# Altium PCB STM32F7_CoreBoard.PcbDoc (part 1 of 8) (continued)
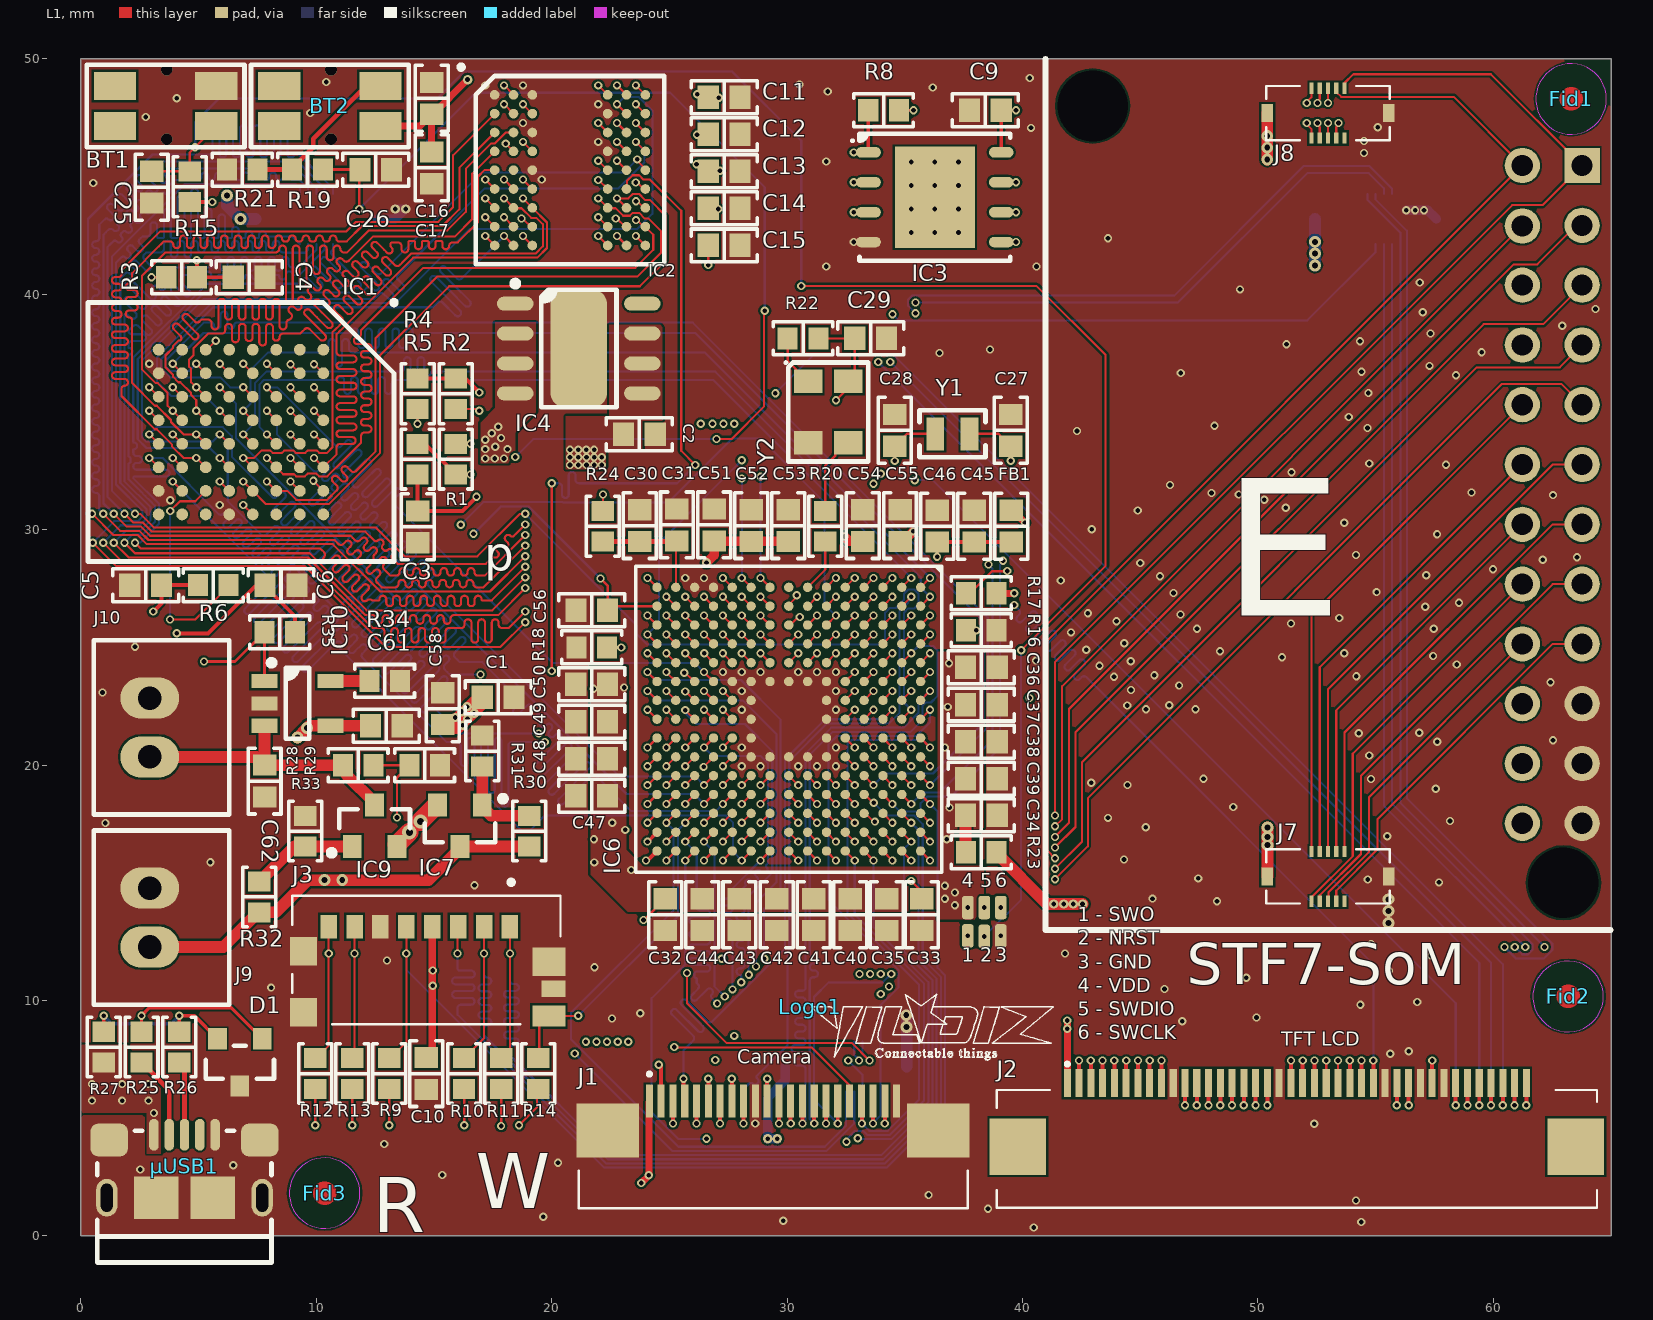
[diagram p0: L1 view]
## Footprints (in the part's own frame and the unit in brackets; to place one, negate y for a bottom-side part, rotate by r counter-clockwise, add the part's x,y. Pads: shape width x height; smd on the part's side, far side on the other; paste and mask are expansions set on the pad) (continued)
"ST TFBGA-216 13x13 0.8mm" [mm] "TFBGA216, 13 × 13 × 0.8 mm thin fine-pitch ball grid array"
  round 0.4 smd paste+0 mask+0.038: A1(-5.601,5.6) A2(-4.801,5.6) A3(-4.001,5.6) A4(-3.2,5.6) A5(-2.4,5.6) A6(-1.6,5.6) A7(-0.8,5.6) A8(0,5.6) A9(0.8,5.6) A10(1.6,5.6) A11(2.4,5.6) A12(3.2,5.6) A13(4,5.6) A14(4.801,5.6) A15(5.601,5.6) B1(-5.601,4.8) B2(-4.801,4.8) B3(-4.001,4.8) B4(-3.2,4.8) B5(-2.4,4.8) B6(-1.6,4.8) B7(-0.8,4.8) B8(0,4.8) B9(0.8,4.8) B10(1.6,4.8) B11(2.4,4.8) B12(3.2,4.8) B13(4,4.8) B14(4.801,4.8) B15(5.601,4.8) C1(-5.601,4) C2(-4.801,4) C3(-4.001,4) C4(-3.2,4) C5(-2.4,4) C6(-1.6,4) C7(-0.8,4) C8(0,4) C9(0.8,4) C10(1.6,4) C11(2.4,4) C12(3.2,4) C13(4,4) C14(4.801,4) C15(5.601,4) D1(-5.601,3.2) D2(-4.801,3.2) D3(-4.001,3.2) D4(-3.2,3.2) D5(-2.4,3.2) D6(-1.6,3.2) D7(-0.8,3.2) D8(0,3.2) D9(0.8,3.2) D10(1.6,3.2) D11(2.4,3.2) D12(3.2,3.2) D13(4,3.2) D14(4.801,3.2) D15(5.601,3.2) E1(-5.601,2.4) E2(-4.801,2.4) E3(-4.001,2.4) E4(-3.2,2.4) E5(-2.4,2.4) E6(-1.6,2.4) E7(-0.8,2.4) E8(0,2.4) E9(0.8,2.4) E10(1.6,2.4) E11(2.4,2.4) E12(3.2,2.4) E13(4,2.4) E14(4.801,2.4) E15(5.601,2.4) F1(-5.601,1.6) F2(-4.801,1.6) F3(-4,1.6) F4(-3.2,1.6) F5(-2.4,1.6) F6(-1.6,1.6) F7(-0.8,1.6) F8(0,1.6) F9(0.8,1.6) F10(1.6,1.6) F11(2.4,1.6) F12(3.2,1.6) F13(4,1.6) F14(4.801,1.6) F15(5.601,1.6) G1(-5.601,0.8) G2(-4.801,0.8) G3(-4,0.8) G4(-3.2,0.8) G5(-2.4,0.8) G6(-1.6,0.8) G10(1.6,0.8) G11(2.4,0.8) G12(3.2,0.8) G13(4,0.8) G14(4.801,0.8) G15(5.601,0.8) H1(-5.601,0) H2(-4.801,0) H3(-4,0) H4(-3.2,0) H5(-2.4,0) H6(-1.6,0) H10(1.6,0) H11(2.4,0) H12(3.2,0) H13(4,0) H14(4.801,0) H15(5.601,0) J1(-5.601,-0.8) J2(-4.801,-0.8) J3(-4,-0.8) J4(-3.2,-0.8) J5(-2.4,-0.8) J6(-1.6,-0.8) J10(1.6,-0.8) J11(2.4,-0.8) J12(3.2,-0.8) J13(4,-0.8) J14(4.801,-0.8) J15(5.601,-0.8) K1(-5.601,-1.6) K2(-4.801,-1.6) K3(-4,-1.6) K4(-3.2,-1.6) K5(-2.4,-1.6) K6(-1.6,-1.6) K7(-0.8,-1.6) K8(0,-1.6) K9(0.8,-1.6) K10(1.6,-1.6) K11(2.4,-1.6) K12(3.2,-1.6) K13(4,-1.6) K14(4.801,-1.6) K15(5.601,-1.6) L1(-5.601,-2.4) L2(-4.801,-2.4) L3(-4,-2.4) L4(-3.2,-2.4) L5(-2.4,-2.4) L6(-1.6,-2.4) L7(-0.8,-2.4) L8(0,-2.4) L9(0.8,-2.4) L10(1.6,-2.4) L11(2.4,-2.4) L12(3.2,-2.4) L13(4.001,-2.4) L14(4.801,-2.4) L15(5.601,-2.4) M1(-5.601,-3.2) M2(-4.801,-3.2) M3(-4,-3.2) M4(-3.2,-3.2) M5(-2.4,-3.2) M6(-1.6,-3.2) M7(-0.8,-3.2) M8(0,-3.2) M9(0.8,-3.2) M10(1.6,-3.2) M11(2.4,-3.2) M12(3.2,-3.2) M13(4.001,-3.2) M14(4.801,-3.2) M15(5.601,-3.2) N1(-5.601,-4) N2(-4.801,-4) N3(-4,-4) N4(-3.2,-4) N5(-2.4,-4) N6(-1.6,-4) N7(-0.8,-4) N8(0,-4) N9(0.8,-4) N10(1.6,-4) N11(2.4,-4) N12(3.2,-4) N13(4.001,-4) N14(4.801,-4) N15(5.601,-4) P1(-5.601,-4.8) P2(-4.801,-4.8) P3(-4,-4.8) P4(-3.2,-4.8) P5(-2.4,-4.8) P6(-1.6,-4.8) P7(-0.8,-4.8) P8(0,-4.8) P9(0.8,-4.8) P10(1.6,-4.8) P11(2.4,-4.8) P12(3.2,-4.8) P13(4.001,-4.8) P14(4.801,-4.8) P15(5.601,-4.8) R1(-5.601,-5.6) R2(-4.801,-5.6) R3(-4,-5.6) R4(-3.2,-5.6) R5(-2.4,-5.6) R6(-1.6,-5.6) R7(-0.8,-5.6) R8(0,-5.6) R9(0.8,-5.6) R10(1.6,-5.6) R11(2.4,-5.6) R12(3.2,-5.6) R13(4.001,-5.6) R14(4.801,-5.6) R15(5.601,-5.6)
  silkscreen extent -6.5,-6.5 6.5,6.5, body extent -6.5,-6.5 6.5,6.5, height 0.94
TactileButton [mm] "Mando Tactile Button"
  rect 1.8x1.2 smd: 1(0,0) 2(0,-1.7) 3(4.3,0) 4(4.3,-1.7)
  silkscreen extent -1.2,-2.6 5.5,0.9, body extent -0.65,-3.65 4.85,0.85, height 1.6
"WINBOND WSON-8 6x5mm" [mm] "SON, 8-Leads, Body 5.00x6.00mm, Pitch 1.27mm, Thermal Pad 4.30x3.40mm, IPC Medium Density"
  oval 1.05x0.45 smd: 1(-2.82,1.905) 2(-2.82,0.635) 3(-2.82,-0.635) 4(-2.82,-1.905) 5(2.82,-1.905) 6(2.82,-0.635) 7(2.82,0.635) 8(2.82,1.905)
  rect 3.4x4.3 smd paste-1.7 mask+0: 9(0,0)
  silkscreen extent -3.55,-2.7 3.2,2.7, body extent -3.05,-2.55 3.05,2.55, height 0.8

## Part data
BT1 BT2: library part Button, "Button, 2 pin", Case/Package=SMD/SMT, Contact Current Rating=50mA, Contact Resistance=500mR, Manufacturer=Panasonic, Manufacturer Part Number=EVQP7J01P, Max Operating Temperature=70°C, Max Voltage Rating (DC)=12V, Min Operating Temperature=-20°C, Operating Force=1.6N, Package Quantity=5000, Supplier Part Number 1=P16767CT-ND, Actuator Length=0.65mm, ComponentLink1Description=https://datasheet.ciiva.com/24076/atv0000ce4-259034-24076561.pdf?src-supplier=Mouser, ComponentLink1URL=https://datasheet.ciiva.com/24076/atv0000ce4-259034-24076561.pdf?src-supplier=Mouser, ComponentLink2Description=https://datasheet.ciiva.com/29974/atk0000ce20-29974069.pdf?src-supplier=Avnet, ComponentLink2URL=https://datasheet.ciiva.com/29974/atk0000ce20-29974069.pdf?src-supplier=Avnet, ComponentLink3Description=https://datasheet.ciiva.com/22777/atk0000ce20-22777575.pdf?src-supplier=Farnell, ComponentLink3URL=https://datasheet.ciiva.com/22777/atk0000ce20-22777575.pdf?src-supplier=Farnell, ComponentLink4Description=https://datasheet.ciiva.com/30252/atk0000ce20-30252044.pdf?src-supplier=Onlinecomponents.com, ComponentLink4URL=https://datasheet.ciiva.com/30252/atk0000ce20-30252044.pdf?src-supplier=Onlinecomponents.com, Current Rating=50mA, Electrical Life=100000Cycles, Height=1.35mm, Illumination Type=Non-Illuminated, Lead Free="Lead Free", Length=3.5mm, Mechanical Life=100000Cycles, Mount="Surface Mount", Orientation="Right Angle", Packaging="Tape and Reel", Pricing 1="1 = 0,30000, 10 = 0,28600, 25 = 0,27600, 50 = 0,26560, 100 = 0,25550, 250 = 0,23504, 500 = 0,20438, 1000 = 0,17372 (USD)", Radiation Hardening=No, REACH SVHC="No SVHC", RoHS=Yes, Stock 1=23697, Supplier 1=Digi-Key, Switch Function=Off-Mom, Switch Travel=0.2mm, Termination="Gull Wing", Throw Configuration=SPST, Voltage Rating (DC)=12V, Width=2.9mm
C1 C2 C61 C62: library part "Capacitor - Ceramic", "Ceramic, SMT Capacitor", Case/Package=0603, Case Code (Metric)=1608, Dielectric=X5R, Manufacturer=Samsung, Manufacturer Part Number=CL10A106MQ8NNNC, Max Operating Temperature=85°C, Min Operating Temperature=-55°C, Package Quantity=1, Supplier Part Number 1=1276-1119-1-ND, Tolerance=20%, Voltage=6.3V, Capacitance=10uF, Case Code (Imperial)=0603, ComponentLink1Description=https://datasheet.ciiva.com/25798/cl10a106mq8nnnc-25798320.pdf?src-supplier=Digi-Key, ComponentLink1URL=https://datasheet.ciiva.com/25798/cl10a106mq8nnnc-25798320.pdf?src-supplier=Digi-Key, ComponentLink2Description=https://datasheet.ciiva.com/26838/getdatasheetpartid-357557-26838347.pdf?src-supplier=Verical, ComponentLink2URL=https://datasheet.ciiva.com/26838/getdatasheetpartid-357557-26838347.pdf?src-supplier=Verical, ComponentLink3Description=https://datasheet.ciiva.com/16437/cl05b104kq5nnnc-16437327.pdf?src-supplier=Future+Electronics, ComponentLink3URL=https://datasheet.ciiva.com/16437/cl05b104kq5nnnc-16437327.pdf?src-supplier=Future+Electronics, Contact Plating=Tin, Depth=0.8mm, Height=0.8mm, Length=1.6mm, Mount="Surface Mount", Packaging="Tape and Reel", Pricing 1="1 = 0,15000, 10 = 0,11000, 100 = 0,05150, 500 = 0,03614, 1000 = 0,02992 (USD)", Radiation Hardening=No, RoHS=Yes, Stock 1=4408315, Supplier 1=Digi-Key, Thickness=0.035inch, Voltage Rating=6.3V, Width=0.031inch
C3 C4 C5 C6 C9 C10 C11 C12 C13 C14 C15 C16 C17 C25 C26 C29 C31 C36 C37 C38 C39 C40 C41 C42 C43 C44 C46 C47 C48 C49 C50 C51 C52 C53 C54 C55: library part "Capacitor - Ceramic", "Ceramic, SMT Capacitor", Case/Package=0603, Case Code (Metric)=1608, Dielectric=X7R, Manufacturer=Samsung, Manufacturer Part Number=CL10B104JB8NNNC, Max Operating Temperature=125°C, Min Operating Temperature=-55°C, Package Quantity=1, Supplier Part Number 1=1276-1033-1-ND, Tolerance=5%, Voltage=50V, Capacitance=100nF, Case Code (Imperial)=0603, Contact Plating=Tin, Depth=0.8mm, Height=0.8mm, Length=1.6mm, Material=Ceramic, Mount="Surface Mount", Packaging="Tape and Reel", Radiation Hardening=No, RoHS=Yes, Supplier 1=Digi-Key, Thickness=0.035inch, Voltage Rating=50V, Width=0.031inch
  C3 C4 C5 C6 C9 C11 C12 C13 C14 C15 C16 C17: ComponentLink1Description=https://datasheet.ciiva.com/25793/cl10b104jb8nnnc-25793394.pdf?src-supplier=Digi-Key, ComponentLink1URL=https://datasheet.ciiva.com/25793/cl10b104jb8nnnc-25793394.pdf?src-supplier=Digi-Key, ComponentLink2Description=https://datasheet.ciiva.com/26838/getdatasheetpartid-359321-26838402.pdf?src-supplier=Verical, ComponentLink2URL=https://datasheet.ciiva.com/26838/getdatasheetpartid-359321-26838402.pdf?src-supplier=Verical, ComponentLink3Description=https://datasheet.ciiva.com/16498/cl10b104jb8nnnc-16498485.pdf?src-supplier=Future+Electronics, ComponentLink3URL=https://datasheet.ciiva.com/16498/cl10b104jb8nnnc-16498485.pdf?src-supplier=Future+Electronics, ComponentLink4Description=https://datasheet.ciiva.com/29199/456613-da-01-en-vs-kondensator-0603-29199008.pdf?src-supplier=Conrad, ComponentLink4URL=https://datasheet.ciiva.com/29199/456613-da-01-en-vs-kondensator-0603-29199008.pdf?src-supplier=Conrad, Pricing 1="1 = 0,10000, 10 = 0,04800, 100 = 0,02160, 500 = 0,01540, 1000 = 0,01210 (USD)", Stock 1=305374
  C10 C25 C26 C29 C31 C36 C37 C38 C39 C40 C41 C42 C43 C44 C46 C47 C48 C49 C50 C51 C52 C53 C54 C55: ComponentLink1Description=https://media.digikey.com/pdf/Data%20Sheets/Samsung%20PDFs/CL_Series_MLCC_ds.pdf?src-supplier=Digi-Key, ComponentLink1URL=https://media.digikey.com/pdf/Data%20Sheets/Samsung%20PDFs/CL_Series_MLCC_ds.pdf?src-supplier=Digi-Key, ComponentLink2Description=https://www.verical.com/server-webapp/html/getDatasheet?partID=359321&src-supplier=Verical, ComponentLink2URL=https://www.verical.com/server-webapp/html/getDatasheet?partID=359321&src-supplier=Verical, ComponentLink3Description=http://www1.futureelectronics.com/doc/SAMSUNG/CL10B104JB8NNNC.pdf?src-supplier=Future+Electronics, ComponentLink3URL=http://www1.futureelectronics.com/doc/SAMSUNG/CL10B104JB8NNNC.pdf?src-supplier=Future+Electronics, ComponentLink4Description=https://produktinfo.conrad.com/datenblaetter/450000-474999/456613-da-01-en-VS_KONDENSATOR_0603.pdf?src-supplier=Conrad, ComponentLink4URL=https://produktinfo.conrad.com/datenblaetter/450000-474999/456613-da-01-en-VS_KONDENSATOR_0603.pdf?src-supplier=Conrad, Pricing 1="1 = 0,10000, 10 = 0,05300, 100 = 0,02350, 500 = 0,01680, 1000 = 0,01320 (USD)", Stock 1=223594
C27 C28: library part "Capacitor - Ceramic", "Ceramic, SMT Capacitor", Case/Package=0603, Case Code (Metric)=1608, Dielectric=C0G, Manufacturer="Walsin Technologies", Manufacturer Part Number=0603N150J500CT, Max Operating Temperature=125°C, Min Operating Temperature=-55°C, Supplier Part Number 1=1292-1487-1-ND, Tolerance=5%, Voltage Rating=50V, Capacitance=15pF, Case Code (Imperial)=0603, ComponentLink1Description=http://www.farnell.com/datasheets/1958513.pdf?src-supplier=Farnell, ComponentLink1URL=http://www.farnell.com/datasheets/1958513.pdf?src-supplier=Farnell, ComponentLink2Description=http://www.farnell.com/datasheets/2340522.pdf?src-supplier=Farnell, ComponentLink2URL=http://www.farnell.com/datasheets/2340522.pdf?src-supplier=Farnell, ComponentLink3Description=http://components.arrow.com/part/dataview/0323_03468609?src-supplier=Arrow+Europe, ComponentLink3URL=http://components.arrow.com/part/dataview/0323_03468609?src-supplier=Arrow+Europe, ComponentLink4Description=http://www.farnell.com/datasheets/1958513.pdf?src-supplier=Element14, ComponentLink4URL=http://www.farnell.com/datasheets/1958513.pdf?src-supplier=Element14, Depth=0.8mm, Length=1.6mm, Packaging="Tape and Reel", Pricing 1="1 = 0,10000, 10 = 0,03300, 100 = 0,01490, 500 = 0,01062, 1000 = 0,00835 (USD)", REACH SVHC=Unknown, RoHS=Yes, Stock 1=219118, Supplier 1=Digi-Key, Voltage Rating (DC)=50V
C30 C45: library part "Capacitor - Ceramic", "Ceramic, SMT Capacitor", Case/Package=0603, Case Code (Metric)=1608, Dielectric=X5R, Manufacturer=Samsung, Manufacturer Part Number=CL10A105KP8NNNC, Max Operating Temperature=85°C, Min Operating Temperature=-55°C, Package Quantity=1, Supplier Part Number 1=1276-1182-1-ND, Tolerance=10%, Voltage=10V, Capacitance=1uF, Case Code (Imperial)=0603, ComponentLink1Description=https://datasheet.ciiva.com/15195/getdatasheetpartid-358616-15195708.pdf?src-supplier=Verical, ComponentLink1URL=https://datasheet.ciiva.com/15195/getdatasheetpartid-358616-15195708.pdf?src-supplier=Verical, ComponentLink2Description=https://datasheet.ciiva.com/16358/cl05b104kq5nnnc-16358431.pdf?src-supplier=Future+Electronics, ComponentLink2URL=https://datasheet.ciiva.com/16358/cl05b104kq5nnnc-16358431.pdf?src-supplier=Future+Electronics, Contact Plating=Tin, Depth=0.8mm, Height=0.8mm, Length=1.6mm, Mount="Surface Mount", Packaging="Tape and Reel", Pricing 1="1 = 0,10000, 10 = 0,03800, 100 = 0,01680, 500 = 0,01200, 1000 = 0,00943 (USD)", Radiation Hardening=No, RoHS=Yes, Stock 1=4590831, Supplier 1=Digi-Key, Thickness=0.035inch, Voltage Rating=10V, Width=0.031inch
C32 C33: library part "Capacitor - Ceramic", "Ceramic, SMT Capacitor", Case/Package=0603, Case Code (Metric)=1608, Dielectric=X5R, Manufacturer=Samsung, Manufacturer Part Number=CL10A225KQ8NNNC, Max Operating Temperature=85°C, Min Operating Temperature=-55°C, Package Quantity=1, Supplier Part Number 1=1276-1183-1-ND, Tolerance=10%, Voltage=6.3V, Capacitance=2.2uF, Case Code (Imperial)=0603, ComponentLink1Description=https://datasheet.ciiva.com/15195/getdatasheetpartid-358618-15195712.pdf?src-supplier=Verical, ComponentLink1URL=https://datasheet.ciiva.com/15195/getdatasheetpartid-358618-15195712.pdf?src-supplier=Verical, ComponentLink2Description=https://datasheet.ciiva.com/16199/cl10a225kq8nnnc-16199203.pdf?src-supplier=Future+Electronics, ComponentLink2URL=https://datasheet.ciiva.com/16199/cl10a225kq8nnnc-16199203.pdf?src-supplier=Future+Electronics, Contact Plating=Tin, Depth=0.8mm, Height=0.8mm, Lead Free="Lead Free", Length=1.6mm, Mount="Surface Mount", Packaging="Tape and Reel", Pricing 1="1 = 0,11000, 10 = 0,07700, 100 = 0,03430, 500 = 0,02450, 1000 = 0,01925 (USD)", Radiation Hardening=No, RoHS=Yes, Stock 1=900644, Supplier 1=Digi-Key, Thickness=0.035inch, Voltage Rating=6.3V, Voltage Rating (DC)=6.3V, Width=0.031inch
C34 C35 C58: library part "Capacitor - Ceramic", "Ceramic, SMT Capacitor", Case/Package=0603, Case Code (Metric)=1608, Dielectric=X5R, Manufacturer=Samsung, Manufacturer Part Number=CL10A475MQ8NNNC, Max Operating Temperature=85°C, Min Operating Temperature=-55°C, Package Quantity=4000, Supplier Part Number 1=1276-1907-1-ND, Tolerance=20%, Voltage Rating=6.3V, Capacitance=4.7uF, Case Code (Imperial)=0603, ComponentLink1Description=https://datasheet.ciiva.com/25713/cl10a475mq8nnnc-25713301.pdf?src-supplier=Digi-Key, ComponentLink1URL=https://datasheet.ciiva.com/25713/cl10a475mq8nnnc-25713301.pdf?src-supplier=Digi-Key, ComponentLink2Description=https://datasheet.ciiva.com/26838/getdatasheetpartid-358407-26838391.pdf?src-supplier=Verical, ComponentLink2URL=https://datasheet.ciiva.com/26838/getdatasheetpartid-358407-26838391.pdf?src-supplier=Verical, ComponentLink3Description=https://datasheet.ciiva.com/16437/cl05b104kq5nnnc-16437323.pdf?src-supplier=Future+Electronics, ComponentLink3URL=https://datasheet.ciiva.com/16437/cl05b104kq5nnnc-16437323.pdf?src-supplier=Future+Electronics, Depth=0.8mm, Height=0.8mm, Lead Free="Lead Free", Length=1.6mm, Mount="Surface Mount", Packaging="Tape and Reel", Pricing 1="1 = 0,10000, 10 = 0,06300, 100 = 0,02790, 500 = 0,01990, 1000 = 0,01564 (USD)", Radiation Hardening=No, RoHS=Yes, Stock 1=764729, Supplier 1=Digi-Key, Thickness=0.035inch, Voltage Rating (DC)=6.3V, Width=0.031inch
C56: library part "Capacitor - Ceramic", "Ceramic, SMT Capacitor", Case/Package=0603, Dielectric=X7R, Manufacturer=KEMET, Manufacturer Part Number=C0603C103J5RACTU, Max Operating Temperature=125°C, Min Operating Temperature=-55°C, Supplier Part Number 1=399-1092-1-ND, Tolerance=5%, Capacitance=10nF, ComponentLink1Description=https://datasheet.ciiva.com/22749/kem-c1002-x7r-smd-22749720.pdf?src-supplier=Element14, ComponentLink1URL=https://datasheet.ciiva.com/22749/kem-c1002-x7r-smd-22749720.pdf?src-supplier=Element14, ComponentLink2Description=https://datasheet.ciiva.com/26847/getdatasheetpartid-317400-26847516.pdf?src-supplier=Verical, ComponentLink2URL=https://datasheet.ciiva.com/26847/getdatasheetpartid-317400-26847516.pdf?src-supplier=Verical, Depth=0.8mm, Height=0.8mm, Length=1.6mm, Mount="Surface Mount", Packaging="Tape and Reel", Pricing 1="1 = 0,10000, 10 = 0,05300, 100 = 0,02360, 500 = 0,01682, 1000 = 0,01322 (USD)", Radiation Hardening=No, RoHS=Yes, Stock 1=659548, Supplier 1=Digi-Key
D1: library part NUP2105LT1G, "TVS DIODE 24V 44V SOT23-3", Capacitance @ Frequency="30pF @ 1MHz", Current - Peak Pulse (10/1000µs)="8A (8/20µs)", Device Package="TO-236-3, SC-59, SOT-23-3", Manufacturer="ON Semiconductor", Operating Temperature="-55°C ~ 150°C (TJ)", Power - Peak Pulse=350W, Power Line Protection=No, Supplier Device Package="SOT-23-3 (TO-236)", Supplier Part Number 1=NUP2105LT1GOSCT-ND, Voltage - Breakdown (Min)=26.2V, Voltage - Clamping (Max) @ Ipp=44V, Voltage - Reverse Standoff (Typ)="24V (Min)", Applications="General Purpose", Bidirectional Channels=2, ComponentLink1Description=Datasheet, ComponentLink1URL=http://www.onsemi.com/pub/Collateral/NUP2105L-D.PDF, ComponentLink2Description="DigiKey Link", ComponentLink2URL=http://digikey.com/product-detail/en/on-semiconductor/NUP2105LT1G/NUP2105LT1GOSCT-ND/1485001, LastUpdated="30.03.2020 16:33:57", Lifecycle Status=Active, Manufacturer Part Number=NUP2105LT1G, Minimum Order=1, Mounting Type="Surface Mount", Package / Case="TO-236-3, SC-59, SOT-23-3", Packaging=TapeAndReel, PartId=10506, Part Status=Active, Price=0.09, Series=-, Supplier 1=DigiKey, Type=Zener
FB1: library part "Ferrite Chip", "SMT Ferrite Chip", Case/Package=0603, Case Code (Metric)=1608, Current Rating=500mA, DC Resistance (DCR)=380mR, Frequency=100MHz, Manufacturer=Murata, Manufacturer Part Number=BLM18AG601SN1D, Max Operating Temperature=125°C, Min Operating Temperature=-55°C, Package Quantity=1, Supplier Part Number 1=490-1014-1-ND, Tolerance=25%, Case Code (Imperial)=0603, ComponentLink1Description=https://datasheet.ciiva.com/19460/1844766-19460213.pdf?src-supplier=Jameco, ComponentLink1URL=https://datasheet.ciiva.com/19460/1844766-19460213.pdf?src-supplier=Jameco, ComponentLink2Description=https://datasheet.ciiva.com/29347/442309-da-01-en-chip-drossel-0603-600r-500ma-1-6x0-8mm-29347900.pdf?src-supplier=Conrad, ComponentLink2URL=https://datasheet.ciiva.com/29347/442309-da-01-en-chip-drossel-0603-600r-500ma-1-6x0-8mm-29347900.pdf?src-supplier=Conrad, ComponentLink3Description=https://datasheet.ciiva.com/41449/001172228-da-01-en-drossel-0603-600r-1-6x0-8mm-4000st-41449517.pdf?src-supplier=Conrad, ComponentLink3URL=https://datasheet.ciiva.com/41449/001172228-da-01-en-drossel-0603-600r-1-6x0-8mm-4000st-41449517.pdf?src-supplier=Conrad, ComponentLink4Description=https://datasheet.ciiva.com/1012/l0110s0100blm18a-1012018.pdf?src-supplier=Digi-Key, ComponentLink4URL=https://datasheet.ciiva.com/1012/l0110s0100blm18a-1012018.pdf?src-supplier=Digi-Key, ComponentLink5Description=https://datasheet.ciiva.com/1012/l0110s0100blm18a-1012019.pdf?src-supplier=Digi-Key, ComponentLink5URL=https://datasheet.ciiva.com/1012/l0110s0100blm18a-1012019.pdf?src-supplier=Digi-Key, ComponentLink6Description=https://datasheet.ciiva.com/1466/1756147-1466934.pdf?src-supplier=Element14, ComponentLink6URL=https://datasheet.ciiva.com/1466/1756147-1466934.pdf?src-supplier=Element14, ComponentLink7Description=https://datasheet.ciiva.com/3081/l0110s0100blm18a-3081613.pdf?src-supplier=Avnet, ComponentLink7URL=https://datasheet.ciiva.com/3081/l0110s0100blm18a-3081613.pdf?src-supplier=Avnet, ComponentLink8Description=https://datasheet.ciiva.com/1012/l0110s0100blm18a-1012017.pdf?src-supplier=Digi-Key, ComponentLink8URL=https://datasheet.ciiva.com/1012/l0110s0100blm18a-1012017.pdf?src-supplier=Digi-Key, ComponentLink9Description=https://datasheet.ciiva.com/1466/1756147-1466933.pdf?src-supplier=Element14, ComponentLink9URL=https://datasheet.ciiva.com/1466/1756147-1466933.pdf?src-supplier=Element14, ComponentLink10Description=https://datasheet.ciiva.com/16210/l0110s0100blm18a-16210006.pdf?src-supplier=Future+Electronics, ComponentLink10URL=https://datasheet.ciiva.com/16210/l0110s0100blm18a-16210006.pdf?src-supplier=Future+Electronics, Core Material=Ferrite, DC Current=500mA, Depth=0.8mm, Height=0.8mm, Impedance=600R, Lead Free="Lead Free", Length=1.6mm, Material=Steel, Max Current Rating=500mA, Max DC Current=500mA, Military Standard=Not, Number of Circuits=1, Number of Lines=1, Number of Pins=2, Packaging="Tape and Reel", Pricing 1="1 = 0,10000, 10 = 0,07900, 25 = 0,07200, 50 = 0,06480, 100 = 0,04760, 250 = 0,03460, 500 = 0,03170, 1000 = 0,02738 (USD)", Radiation Hardening=No, REACH SVHC="No SVHC", RoHS=Yes, Shielding=Unshielded, Stock 1=1151376, Supplier 1=Digi-Key, Termination=SMD/SMT, Test Frequency=100MHz, Weight=7.1E-05oz, Width=0.8mm
Fid1 Fid2 Fid3: "Fiducial Mark", Part Number=Fid-Mark, Artikkelnr Noca=N.A., Artikkelnr Simpro=N.A., Footprint Doc=Fiducial, LatestRevisionDate=2009-12-12, Pin Count=1, Published=2009-12-12, Publisher="Nordic Semiconductor"
IC1: library part "MICRON MT28EW128", "Parallel NOR Flash Embedded Memory", Manufacturer="Micron Technology", Manufacturer Part Number=MT28EW128ABA1HPC-0SIT, Max Operating Temperature=85°C, Min Operating Temperature=-40°C, Supplier Part Number 1=557-1777-ND, Access Time=95ns, ComponentLink1Description=https://www.micron.com/~/media/documents/products/data-sheet/nor-flash/parallel/mt28ew_mt28fw/mt28ew_qlhp_128_aba_0sit.pdf?src-supplier=Digi-Key, ComponentLink1URL=https://www.micron.com/~/media/documents/products/data-sheet/nor-flash/parallel/mt28ew_mt28fw/mt28ew_qlhp_128_aba_0sit.pdf?src-supplier=Digi-Key, Memory Size=128Mb, Memory Type=Non-Volatile,FLASH, Mount="Surface Mount", Number of Pins=64, Packaging=Tray, Pricing 1="1 = 3,60000, 10 = 3,26400, 25 = 3,19320, 50 = 3,17540, 100 = 2,84780, 250 = 2,83716, 500 = 2,73266, 1000 = 2,59806 (USD)", RoHS=Yes, Stock 1=1436, Supplier 1=Digi-Key
IC2: library part "DIODES AP7362", "The AP7362 is a 1.5A adjustable output voltage linear regulator with ultra-low dropout.", Case/Package=SOP, Manufacturer=Diodes, Manufacturer Part Number=AP7362-33SP-13, Max Input Voltage=5.5V, Max Operating Temperature=85°C, Max Output Current=1.5A, Min Input Voltage=2.2V, Min Operating Temperature=-40°C, Output Voltage=3.3V, Quiescent Current=25nA, Supplier Part Number 1=AP7362-33SP-13DICT-ND, Accuracy=3.5%, ComponentLink1Description=http://www.mouser.com/ds/2/115/AP7362-476331.pdf?src-supplier=Mouser, ComponentLink1URL=http://www.mouser.com/ds/2/115/AP7362-476331.pdf?src-supplier=Mouser, ComponentLink2Description=https://www.diodes.com/assets/Datasheets/AP7362.pdf?src-supplier=Digi-Key, ComponentLink2URL=https://www.diodes.com/assets/Datasheets/AP7362.pdf?src-supplier=Digi-Key, ComponentLink3Description=http://diodes.com/datasheets/AP7362.pdf?src-supplier=Avnet, ComponentLink3URL=http://diodes.com/datasheets/AP7362.pdf?src-supplier=Avnet, Contact Plating=Tin, Mount="Surface Mount", Number of Outputs=1, Number of Pins=8, Number of Regulators=1, Output Current=1.5A, Output Type=Fixed, Packaging="Tape and Reel", Polarity=Positive, Pricing 1="1 = 0,51000, 10 = 0,43600, 25 = 0,40640, 100 = 0,30200, 250 = 0,25552, 500 = 0,24392, 1000 = 0,18003 (USD)", RoHS=Yes, Stock 1=2958, Supplier 1=Digi-Key
IC3: library part "WINBOND FLASH SPI 8PIN", Manufacturer=Winbond, Manufacturer Part Number=W25Q128JVPIM, Supplier Part Number 1=W25Q128JVPIM-ND, ComponentLink1Description=http://www.winbond.com/resource-files/w25q128jv_dtr%20revc%2003272018%20plus.pdf?src-supplier=Digi-Key, ComponentLink1URL=http://www.winbond.com/resource-files/w25q128jv_dtr%20revc%2003272018%20plus.pdf?src-supplier=Digi-Key, Pricing 1="1 = 1,47000, 10 = 1,34200, 25 = 1,30640, 50 = 1,29940, 100 = 1,16150, 250 = 1,15808, 500 = 1,14084, 1000 = 1,09189, 5000 = 1,01675 (USD)", RoHS=No, Stock 1=3127, Supplier 1=Digi-Key
IC4: library part "MICRON 256Mb SDRAM", "MT48LC64M4A2 – 16 Meg x 4 x 4 banks / MT48LC32M8A2 – 8 Meg x 8 x 4 banks / MT48LC16M16A2 – 4 Meg x 16 x 4 banks", Manufacturer="Alliance Memory", Manufacturer Part Number=MT48LC16M16A2F4-6A:GTR, Supplier Part Number 1=1450-1350-1-ND, ComponentLink1Description=https://media.digikey.com/pdf/Data%20Sheets/Alliance%20Memory%20PDFs/MT48LC64M4A2,%2032M8A2,%2016M16A2.pdf?src-supplier=Digi-Key, ComponentLink1URL=https://media.digikey.com/pdf/Data%20Sheets/Alliance%20Memory%20PDFs/MT48LC64M4A2,%2032M8A2,%2016M16A2.pdf?src-supplier=Digi-Key, Pricing 1="1 = 3,29000, 10 = 2,95500, 25 = 2,90800, 50 = 2,90020, 100 = 2,59150, 250 = 2,50728, 500 = 2,49792, 1000 = 2,32640 (USD)", RoHS=No, Stock 1=1333, Supplier 1=Digi-Key
IC6: library part "ST STM32F75XNXH 216 PIN", "Arm®-based Cortex®-M7 32b MCU+FPU, 462DMIPS, 64KB Flash/320+16+ 4KB RAM, USB OTG HS/FS, 25 com IF, Cam, LCD", Manufacturer=STMicroelectronics, Manufacturer Part Number=STM32F750N8H6, Supplier Part Number 1=497-18106-ND, ComponentLink1Description=https://www.st.com/resource/en/datasheet/stm32f750v8.pdf?src-supplier=Digi-Key, ComponentLink1URL=https://www.st.com/resource/en/datasheet/stm32f750v8.pdf?src-supplier=Digi-Key, Pricing 1="1 = 9,70000, 10 = 8,76200, 25 = 8,35480, 100 = 7,25440, 250 = 6,92836, 500 = 6,31702, 1000 = 5,50193 (USD)", RoHS=No, Stock 1=61, Supplier 1=Digi-Key
IC7: library part IRLML6244TRPBF, "MOSFET N-CH 20V 6.3A SOT-23", Case/Package=SOT-23, Continuous Drain Current (ID)=6.3A, Drain to Source Breakdown Voltage=20V, Drain to Source Resistance=21mR, Gate to Source Voltage (Vgs)=12V, Input Capacitance=700pF, Manufacturer="International Rectifier", Max Operating Temperature=150°C, Max Power Dissipation=1.3W, Min Operating Temperature=-55°C, On-State Resistance=27MR, Package Quantity=3000, Supplier Part Number 1=IRLML6244TRPBFCT-ND, Threshold Voltage=900mV, ComponentLink1Description=Datasheet, ComponentLink1URL=https://www.infineon.com/dgdl/irlml6244pbf.pdf?fileId=5546d462533600a4015356686fed261f, ComponentLink2Description="DigiKey Link", ComponentLink2URL=http://digikey.com/product-detail/en/infineon-technologies/IRLML6244TRPBF/IRLML6244TRPBFCT-ND/2393877, ComponentLink3Description=https://datasheet.ciiva.com/7935/irlml6244pbf-7935686.pdf?src-supplier=Element14, ComponentLink3URL=https://datasheet.ciiva.com/7935/irlml6244pbf-7935686.pdf?src-supplier=Element14, ComponentLink4Description=https://datasheet.ciiva.com/6369/irlml6244pbf-6369001.pdf?src-supplier=Digi-Key, ComponentLink4URL=https://datasheet.ciiva.com/6369/irlml6244pbf-6369001.pdf?src-supplier=Digi-Key, ComponentLink5Description=https://datasheet.ciiva.com/6369/irlml6244pbf-6369003.pdf?src-supplier=Digi-Key, ComponentLink5URL=https://datasheet.ciiva.com/6369/irlml6244pbf-6369003.pdf?src-supplier=Digi-Key, ComponentLink6Description=https://datasheet.ciiva.com/6369/irlml6244pbf-6369005.pdf?src-supplier=Digi-Key, ComponentLink6URL=https://datasheet.ciiva.com/6369/irlml6244pbf-6369005.pdf?src-supplier=Digi-Key, ComponentLink7Description=https://datasheet.ciiva.com/29325/161189-da-01-en-mosfet-irlml6244trpbf-sot23-ir-29325543.pdf?src-supplier=Conrad, ComponentLink7URL=https://datasheet.ciiva.com/29325/161189-da-01-en-mosfet-irlml6244trpbf-sot23-ir-29325543.pdf?src-supplier=Conrad, Drain to Source Voltage (Vdss)=20V, Element Configuration=Single, Fall Time=12ns, Height=1.02mm, Lead Free="Lead Free", Length=3.04mm, Manufacturer Part Number=IRLML6244TRPBF, Mount="Surface Mount", Nominal Vgs=12V, Number of Elements=1, Number of Pins=3, Packaging="Tape and Reel", Power Dissipation=1.3W, Pricing 1="1 = 0,36000, 10 = 0,29400, 25 = 0,26880, 100 = 0,16880, 250 = 0,16688, 500 = 0,15626, 1000 = 0,10625 (USD)", Radiation Hardening=No, Rds On Max=21mR, REACH SVHC="No SVHC", Recovery Time=18ns, Rise Time=7.5ns, RoHS=Yes, Stock 1=35650, Supplier 1=Digi-Key, Turn-Off Delay Time=19ns, Turn-On Delay Time=4.9ns, Width=1.4mm
IC9: library part IRLML6402TRPBF, "MOSFET P-CH 20V 3.7A SOT-23", Case/Package=SOT-23, Continuous Drain Current (ID)=3.7A, Current Rating=-3.7A, Drain to Source Breakdown Voltage=-20V, Drain to Source Resistance=65mR, Drain to Source Voltage (Vdss)=20V, Gate to Source Voltage (Vgs)=12V, Input Capacitance=633pF, Manufacturer="International Rectifier", Max Operating Temperature=150°C, Max Power Dissipation=1.3W, Min Operating Temperature=-55°C, Package Quantity=1, Supplier Part Number 1=IRLML6402PBFCT-ND, Threshold Voltage=-550mV, ComponentLink1Description=Datasheet, ComponentLink1URL=https://www.infineon.com/dgdl/irlml6402pbf.pdf?fileId=5546d462533600a401535668d5c2263c, ComponentLink2Description="DigiKey Link", ComponentLink2URL=http://digikey.com/product-detail/en/infineon-technologies/IRLML6402TRPBF/IRLML6402PBFCT-ND/812500, ComponentLink3Description=https://datasheet.ciiva.com/34302/1563729-34302500.pdf?src-supplier=Jameco, ComponentLink3URL=https://datasheet.ciiva.com/34302/1563729-34302500.pdf?src-supplier=Jameco, ComponentLink4Description=https://datasheet.ciiva.com/7333/irlml6402-7333200.pdf?src-supplier=Newark, ComponentLink4URL=https://datasheet.ciiva.com/7333/irlml6402-7333200.pdf?src-supplier=Newark, ComponentLink5Description=https://datasheet.ciiva.com/28515/irlml6402pbf-28515795.pdf?src-supplier=Element14, ComponentLink5URL=https://datasheet.ciiva.com/28515/irlml6402pbf-28515795.pdf?src-supplier=Element14, ComponentLink6Description=https://datasheet.ciiva.com/7799/13209-7799017.pdf?src-supplier=Element14, ComponentLink6URL=https://datasheet.ciiva.com/7799/13209-7799017.pdf?src-supplier=Element14, ComponentLink7Description=https://datasheet.ciiva.com/29326/162833-da-01-en-irlml-6402tr-29326798.pdf?src-supplier=Conrad, ComponentLink7URL=https://datasheet.ciiva.com/29326/162833-da-01-en-irlml-6402tr-29326798.pdf?src-supplier=Conrad, ComponentLink8Description=https://datasheet.ciiva.com/936/irlml6402pbf-936987.pdf?src-supplier=Digi-Key, ComponentLink8URL=https://datasheet.ciiva.com/936/irlml6402pbf-936987.pdf?src-supplier=Digi-Key, ComponentLink9Description=https://datasheet.ciiva.com/16311/irlml6402pbf-16311535.pdf?src-supplier=Future+Electronics, ComponentLink9URL=https://datasheet.ciiva.com/16311/irlml6402pbf-16311535.pdf?src-supplier=Future+Electronics, Dual Supply Voltage=-20V, Element Configuration=Single, Fall Time=381ns, Height=1.02mm, Lead Free="Lead Free", Length=3.04mm, Manufacturer Part Number=IRLML6402TRPBF, Mount="Surface Mount", Nominal Vgs=-550mV, Number of Elements=1, Number of Pins=3, On-State Resistance=65mR, Packaging="Tape and Reel", Power Dissipation=1.3W, Pricing 1="1 = 0,36000, 10 = 0,28800, 25 = 0,26360, 100 = 0,16550, 250 = 0,16368, 500 = 0,15326, 1000 = 0,10421 (USD)", Radiation Hardening=No, Rds On Max=65mR, REACH SVHC="No SVHC", Rise Time=48ns, RoHS=Yes, Stock 1=132544, Supplier 1=Digi-Key, Termination=SMD/SMT, Turn-Off Delay Time=588ns, Turn-On Delay Time=350ns, Voltage Rating (DC)=-20V, Width=1.4mm
IC10: library part "MICROCHIP MCP73831", "Miniature Single-Cell, Fully integrated Li-Ion, Li-Polymer charge management controllers", Manufacturer=Microchip, Manufacturer Part Number=MCP73831T-2ACI/OT, Supplier Part Number 1=MCP73831T-2ACI/OTCT-ND, ComponentLink1Description=https://datasheet.ciiva.com/22828/0900766b80d2b53a-22828876.pdf?src-supplier=RSComponents, ComponentLink1URL=https://datasheet.ciiva.com/22828/0900766b80d2b53a-22828876.pdf?src-supplier=RSComponents, ComponentLink2Description=https://datasheet.ciiva.com/26344/651521-da-01-en-contr-mcp73831t-2aci-ot-sot-23-5-mcp-26344458.pdf?src-supplier=Conrad, ComponentLink2URL=https://datasheet.ciiva.com/26344/651521-da-01-en-contr-mcp73831t-2aci-ot-sot-23-5-mcp-26344458.pdf?src-supplier=Conrad, ComponentLink3Description=https://datasheet.ciiva.com/1931/21984e-1931953.pdf?src-supplier=Digi-Key, ComponentLink3URL=https://datasheet.ciiva.com/1931/21984e-1931953.pdf?src-supplier=Digi-Key, ComponentLink4Description=https://datasheet.ciiva.com/1931/21984e-1931954.pdf?src-supplier=Digi-Key, ComponentLink4URL=https://datasheet.ciiva.com/1931/21984e-1931954.pdf?src-supplier=Digi-Key, ComponentLink5Description=https://datasheet.ciiva.com/1137/630369-1137803.pdf?src-supplier=Element14, ComponentLink5URL=https://datasheet.ciiva.com/1137/630369-1137803.pdf?src-supplier=Element14, ComponentLink6Description=https://datasheet.ciiva.com/1144/630369-1144461.pdf?src-supplier=Newark, ComponentLink6URL=https://datasheet.ciiva.com/1144/630369-1144461.pdf?src-supplier=Newark, ComponentLink7Description=https://datasheet.ciiva.com/1931/21984e-1931955.pdf?src-supplier=Digi-Key, ComponentLink7URL=https://datasheet.ciiva.com/1931/21984e-1931955.pdf?src-supplier=Digi-Key, ComponentLink8Description=https://datasheet.ciiva.com/28626/630369-28626439.pdf?src-supplier=Element14, ComponentLink8URL=https://datasheet.ciiva.com/28626/630369-28626439.pdf?src-supplier=Element14, ComponentLink9Description=https://datasheet.ciiva.com/3213/21984e-3213404.pdf?src-supplier=Avnet, ComponentLink9URL=https://datasheet.ciiva.com/3213/21984e-3213404.pdf?src-supplier=Avnet, ComponentLink10Description=https://datasheet.ciiva.com/46385/630369-46385324.pdf?src-supplier=Element14, ComponentLink10URL=https://datasheet.ciiva.com/46385/630369-46385324.pdf?src-supplier=Element14, Pricing 1="1 = 0,56000, 25 = 0,47000, 100 = 0,42000 (USD)", RoHS=Yes, Stock 1=29869, Supplier 1=Digi-Key